# Altium PCB druino_uno_pcb.PcbDoc (part 1 of 3) (continued)
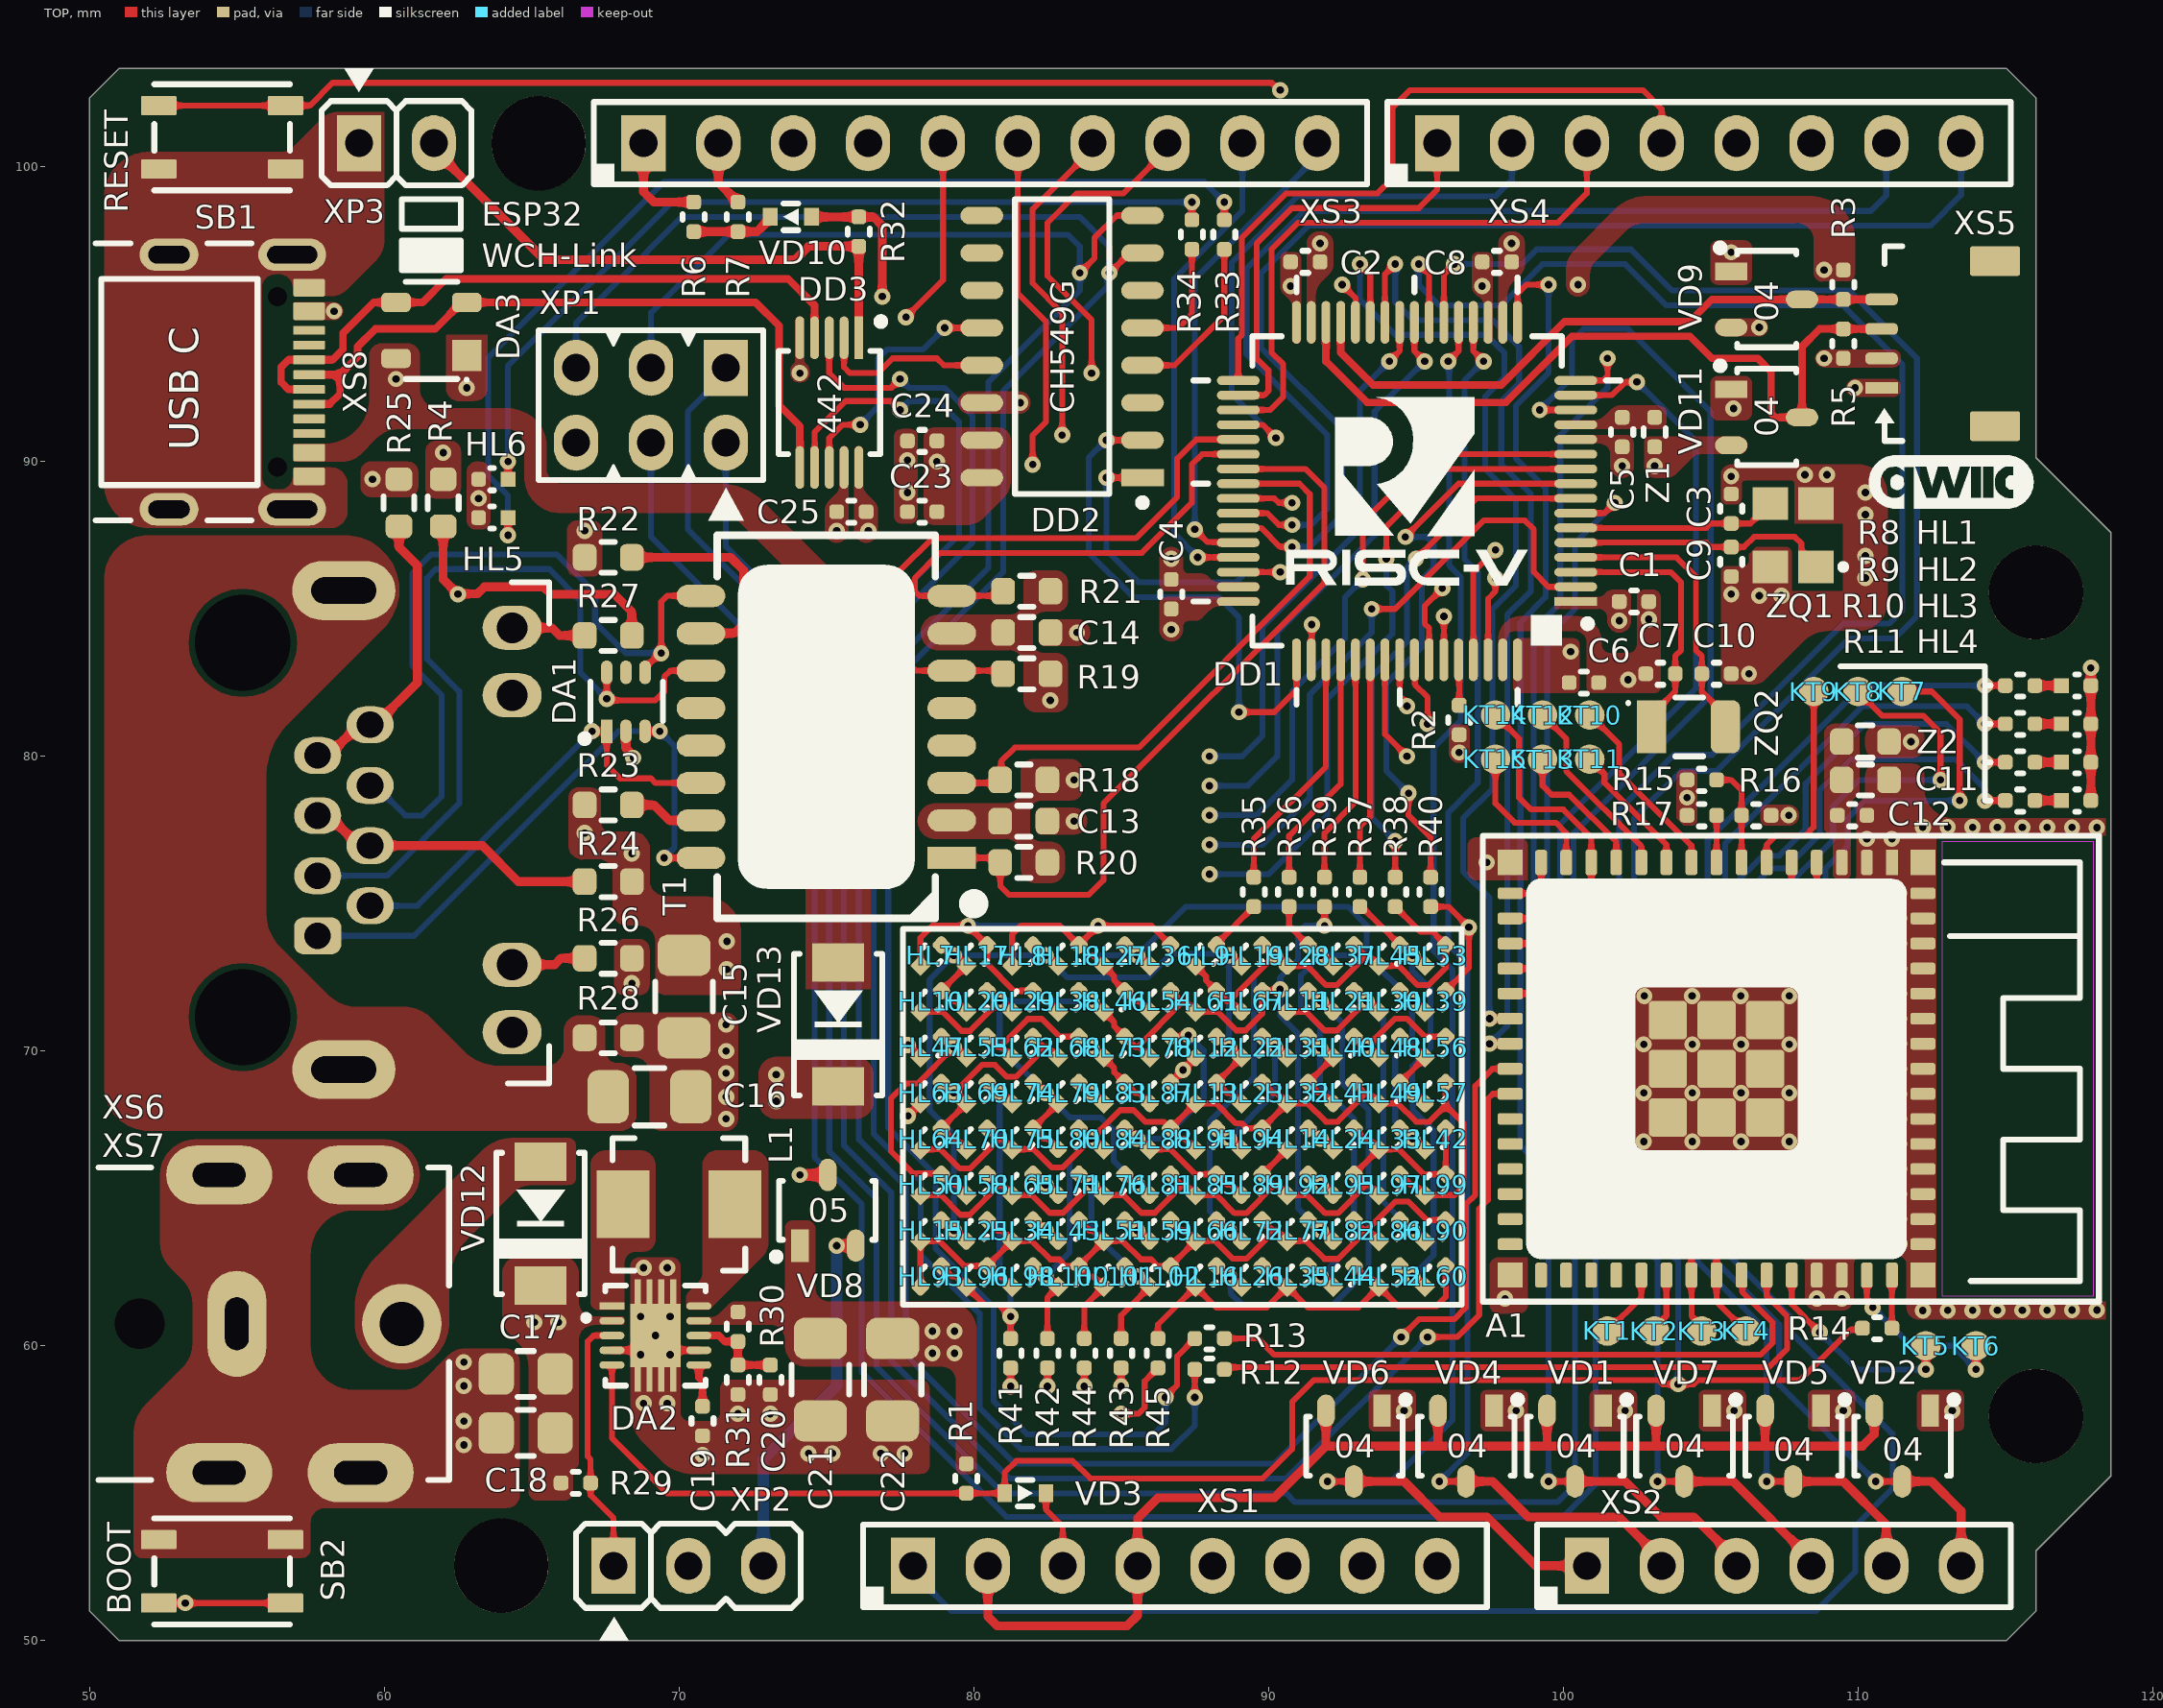
[diagram p0: TOP view]
## Classes and differential pairs
component class p8_led_matrix: .8 HL7 HL8 HL9 HL10 HL11 HL12 HL13 HL14 HL15 HL16 HL17 HL18 HL19 HL20 HL21 HL22 HL23 HL24 HL25 HL26 HL27 HL28 HL29 HL30 HL31 HL32 HL33 HL34 HL35 HL36 HL37 HL38 HL39 HL40 HL41 HL42 HL43 HL44 HL45 HL46 HL47 HL48 HL49 HL50 HL51 HL52 HL53 HL54 HL55 HL56 HL57 HL58 HL59 HL60 HL61 HL62 HL63 HL64 HL65 HL66 HL67 HL68 HL69 HL70 HL71 HL72 HL73 HL74 HL75 HL76 HL77 HL78 HL79 HL80 HL81 HL82 HL83 HL84 HL85 HL86 HL87 HL88 HL89 HL90 HL91 HL92 HL93 HL94 HL95 HL96 HL97 HL98 HL99 HL100 HL101 HL102 R35 R36 R37 R38 R39 R40 R41 R42 R43 R44 R45
component class p6_wch_link: C23 C24 C25 DA3 DD2 DD3 HL5 HL6 R32 R33 R34 VD13 XP3 XS8
component class p5_ethernet: C13 C14 C15 C16 DA1 R18 R19 R20 R21 R22 R23 R24 R25 R26 R27 R28 T1 XS6
component class p7_power: .8 C17 C18 C19 C20 C21 C22 DA2 L1 R29 R30 R31 VD12 XP2 XS7
component class p4_esp32: A1 C11 C12 HL1 HL2 HL3 HL4 KT1 KT2 KT3 KT4 KT5 KT6 KT7 KT8 KT9 KT10 KT11 KT12 KT13 KT14 KT15 R8 R9 R10 R11 R12 R13 R14 R15 R16 R17 SB2 XP1 Z2
component class p3_mcu: C1 C2 C3 C4 C5 C6 C7 C8 C9 C10 DD1 R1 R2 R3 R4 R5 R6 R7 SB1 VD1 VD2 VD3 VD4 VD5 VD6 VD7 VD8 VD9 VD10 VD11 XS1 XS2 XS3 XS4 XS5 Z1 ZQ1 ZQ2

## Components (designator, comment, footprint, x,y, rotation, side; value= is the part's Value field where it differs from the comment)
A1 "ESP32-S3-MINI-1-N8" ESP32-S3-MINI-1 107.725,69.4 r270 top locked
C1 "0.1u" CAP0402 102.4,85.25 r0 top
C2 "0.1u" CAP0402 91.25,96.775 r0 top
C3 "12p" CAP0402 105.7,88.4 r90 top
C4 "0.1u" CAP0402 86.7,85.5 r90 top
C5 "0.1u" CAP0402 102,91 r270 top
C6 "0.1u" CAP0402 100.7,82.5 r0 top
C7 "12p" CAP0402 103.3,82.8 r0 top
C8 "0.1u" CAP0402 97.75,96.775 r0 top
C9 "12p" CAP0402 105.7,86.6 r270 top
C10 "12p" CAP0402 105.2,82.8 r180 top
C11 "1u" CAP0603 110.25,79.2 r180 top
C12 "0.1u" CAP0402 109.8,78 r0 top
C13 "0.047u" CAP0603 81.7,77.8 r180 top
C14 "0.047u" CAP0603 81.8,84.2 r180 top
C15 "2200p" CAP1206-1.0 70.15,71.85 r270 top
C16 "4700p" CAP1206-1.4 69,68.475 r180 top
C17 "10u" CAP0805-0.75 64.8,59.05 r0 top
C18 "10u" CAP0805-0.75 64.8,57.05 r0 top
C19 "0.1u" CAP0402 70.8,57.45 r270 top
C20 "12p" CAP0402 73.1,58.85 r270 top
C21 "22u" CAP1206-1.8 74.825,58.85 r90 top
C22 "22u" CAP1206-1.8 77.275,58.85 r90 top
C23 "0.1u" CAP0402 78.25,88.3 r180 top
C24 "0.1u" CAP0402 78.25,90.7 r180 top
C25 "0.1u" CAP0402 75.85,88.3 r180 top
DA1 "TPD4E1U06DCKR" SC70-6 68.2,81.85 r90 top
DA2 "TPS63060DSC" PWSON-10 69.2,60.35 r270 top
DA3 "PRTR5V0U2X" SOT143 61.6,94.45 r180 top
DD1 "CH32V307RCT6" LQFP64M 94.7,89 r90 top locked
DD2 "CH549G" SOIC-16 83,93.9 r180 top locked
DD3 "CH442E" MSOP-10 75.1,92 r270 top
HL1 "KPHHS-1005ZGC-V" LED0402G525 117.4,82.4 r0 top
HL2 "KPHHS-1005ZGC-V" LED0402G525 117.4,81.1 r0 top
HL3 "KPHHS-1005ZGC-V" LED0402G525 117.4,79.8 r0 top
HL4 "KPHHS-1005ZGC-V" LED0402G525 117.4,78.5 r0 top
HL5 "KPHHS-1005SURCK" LED0402R 63.7,88.1 r180 top
HL6 "KPHHS-1005QBC-D-V" LED0402B#1 63.7,89.4 r180 top
HL7 "KPHHS-1005QBC-D-V" LED0402B#1 78.546,73.246 r45 top
HL8 "KPHHS-1005QBC-D-V" LED0402B#1 81.658,73.246 r45 top
HL9 "KPHHS-1005QBC-D-V" LED0402B#1 87.88,73.246 r45 top
HL10 "KPHHS-1005QBC-D-V" LED0402B#1 78.546,71.691 r45 top
HL11 "KPHHS-1005QBC-D-V" LED0402B#2 90.991,71.691 r45 top
HL12 "KPHHS-1005QBC-D-V" LED0402B#2 87.88,70.135 r45 top
HL13 "KPHHS-1005QBC-D-V" LED0402B#1 87.88,68.579 r45 top
HL14 "KPHHS-1005QBC-D-V" LED0402B#1 90.991,67.024 r45 top
HL15 "KPHHS-1005QBC-D-V" LED0402B#1 78.546,63.913 r45 top
HL16 "KPHHS-1005QBC-D-V" LED0402B#1 87.88,62.357 r45 top
HL17 "KPHHS-1005QBC-D-V" LED0402B#1 80.102,73.246 r45 top
HL18 "KPHHS-1005QBC-D-V" LED0402B#1 83.213,73.246 r45 top
HL19 "KPHHS-1005QBC-D-V" LED0402B#1 89.436,73.246 r45 top
HL20 "KPHHS-1005QBC-D-V" LED0402B#1 80.102,71.691 r45 top
HL21 "KPHHS-1005QBC-D-V" LED0402B#2 92.547,71.691 r45 top
HL22 "KPHHS-1005QBC-D-V" LED0402B#1 89.436,70.135 r45 top
HL23 "KPHHS-1005QBC-D-V" LED0402B#1 89.436,68.579 r45 top
HL24 "KPHHS-1005QBC-D-V" LED0402B#1 92.547,67.024 r45 top
HL25 "KPHHS-1005QBC-D-V" LED0402B#2 80.102,63.913 r45 top
HL26 "KPHHS-1005QBC-D-V" LED0402B#1 89.436,62.357 r45 top
HL27 "KPHHS-1005QBC-D-V" LED0402B#1 84.769,73.246 r45 top
HL28 "KPHHS-1005QBC-D-V" LED0402B#2 90.991,73.246 r45 top
HL29 "KPHHS-1005QBC-D-V" LED0402B#1 81.658,71.691 r45 top
HL30 "KPHHS-1005QBC-D-V" LED0402B#1 94.103,71.691 r45 top
HL31 "KPHHS-1005QBC-D-V" LED0402B#1 90.991,70.135 r45 top
HL32 "KPHHS-1005QBC-D-V" LED0402B#1 90.991,68.579 r45 top
HL33 "KPHHS-1005QBC-D-V" LED0402B#1 94.103,67.024 r45 top
HL34 "KPHHS-1005QBC-D-V" LED0402B#1 81.658,63.913 r45 top
HL35 "KPHHS-1005QBC-D-V" LED0402B#1 90.991,62.357 r45 top
HL36 "KPHHS-1005QBC-D-V" LED0402B#1 86.325,73.246 r45 top
HL37 "KPHHS-1005QBC-D-V" LED0402B#1 92.547,73.246 r45 top
HL38 "KPHHS-1005QBC-D-V" LED0402B#1 83.213,71.691 r45 top
HL39 "KPHHS-1005QBC-D-V" LED0402B#1 95.658,71.691 r45 top
HL40 "KPHHS-1005QBC-D-V" LED0402B#1 92.547,70.135 r45 top
HL41 "KPHHS-1005QBC-D-V" LED0402B#2 92.547,68.579 r45 top
HL42 "KPHHS-1005QBC-D-V" LED0402B#1 95.658,67.024 r45 top
HL43 "KPHHS-1005QBC-D-V" LED0402B#2 83.213,63.913 r45 top
HL44 "KPHHS-1005QBC-D-V" LED0402B#1 92.547,62.357 r45 top
HL45 "KPHHS-1005QBC-D-V" LED0402B#1 94.103,73.246 r45 top
HL46 "KPHHS-1005QBC-D-V" LED0402B#1 84.769,71.691 r45 top
HL47 "KPHHS-1005QBC-D-V" LED0402B#1 78.546,70.135 r45 top
HL48 "KPHHS-1005QBC-D-V" LED0402B#1 94.103,70.135 r45 top
HL49 "KPHHS-1005QBC-D-V" LED0402B#1 94.103,68.579 r45 top
HL50 "KPHHS-1005QBC-D-V" LED0402B#1 78.546,65.468 r45 top
HL51 "KPHHS-1005QBC-D-V" LED0402B#1 84.769,63.913 r45 top
HL52 "KPHHS-1005QBC-D-V" LED0402B#1 94.103,62.357 r45 top
HL53 "KPHHS-1005QBC-D-V" LED0402B#1 95.658,73.246 r45 top
HL54 "KPHHS-1005QBC-D-V" LED0402B#1 86.325,71.691 r45 top
HL55 "KPHHS-1005QBC-D-V" LED0402B#1 80.102,70.135 r45 top
HL56 "KPHHS-1005QBC-D-V" LED0402B#1 95.658,70.135 r45 top
HL57 "KPHHS-1005QBC-D-V" LED0402B#2 95.658,68.579 r45 top
HL58 "KPHHS-1005QBC-D-V" LED0402B#1 80.102,65.468 r45 top
HL59 "KPHHS-1005QBC-D-V" LED0402B#2 86.325,63.913 r45 top
HL60 "KPHHS-1005QBC-D-V" LED0402B#1 95.658,62.357 r45 top
HL61 "KPHHS-1005QBC-D-V" LED0402B#1 87.88,71.691 r45 top
HL62 "KPHHS-1005QBC-D-V" LED0402B#1 81.658,70.135 r45 top
HL63 "KPHHS-1005QBC-D-V" LED0402B#1 78.546,68.58 r45 top
HL64 "KPHHS-1005QBC-D-V" LED0402B#1 78.546,67.024 r45 top
HL65 "KPHHS-1005QBC-D-V" LED0402B#1 81.658,65.468 r45 top
HL66 "KPHHS-1005QBC-D-V" LED0402B#1 87.88,63.913 r45 top
HL67 "KPHHS-1005QBC-D-V" LED0402B#2 89.436,71.691 r45 top
HL68 "KPHHS-1005QBC-D-V" LED0402B#1 83.213,70.135 r45 top
HL69 "KPHHS-1005QBC-D-V" LED0402B#1 80.102,68.58 r45 top
HL70 "KPHHS-1005QBC-D-V" LED0402B#1 80.102,67.024 r45 top
HL71 "KPHHS-1005QBC-D-V" LED0402B#2 83.213,65.468 r45 top
HL72 "KPHHS-1005QBC-D-V" LED0402B#2 89.436,63.913 r45 top
HL73 "KPHHS-1005QBC-D-V" LED0402B#1 84.769,70.135 r45 top
HL74 "KPHHS-1005QBC-D-V" LED0402B#1 81.658,68.58 r45 top
HL75 "KPHHS-1005QBC-D-V" LED0402B#1 81.658,67.024 r45 top
HL76 "KPHHS-1005QBC-D-V" LED0402B#1 84.769,65.468 r45 top
HL77 "KPHHS-1005QBC-D-V" LED0402B#1 90.991,63.913 r45 top
HL78 "KPHHS-1005QBC-D-V" LED0402B#1 86.325,70.135 r45 top
HL79 "KPHHS-1005QBC-D-V" LED0402B#1 83.213,68.58 r45 top
HL80 "KPHHS-1005QBC-D-V" LED0402B#2 83.213,67.024 r45 top
HL81 "KPHHS-1005QBC-D-V" LED0402B#2 86.325,65.468 r45 top
HL82 "KPHHS-1005QBC-D-V" LED0402B#2 92.547,63.913 r45 top
HL83 "KPHHS-1005QBC-D-V" LED0402B#1 84.769,68.58 r45 top
HL84 "KPHHS-1005QBC-D-V" LED0402B#1 84.769,67.024 r45 top
HL85 "KPHHS-1005QBC-D-V" LED0402B#1 87.88,65.468 r45 top
HL86 "KPHHS-1005QBC-D-V" LED0402B#1 94.103,63.913 r45 top
HL87 "KPHHS-1005QBC-D-V" LED0402B#2 86.325,68.58 r45 top
HL88 "KPHHS-1005QBC-D-V" LED0402B#1 86.325,67.024 r45 top
HL89 "KPHHS-1005QBC-D-V" LED0402B#2 89.436,65.468 r45 top
HL90 "KPHHS-1005QBC-D-V" LED0402B#1 95.658,63.912 r45 top
HL91 "KPHHS-1005QBC-D-V" LED0402B#1 87.88,67.024 r45 top
HL92 "KPHHS-1005QBC-D-V" LED0402B#1 90.991,65.468 r45 top
HL93 "KPHHS-1005QBC-D-V" LED0402B#2 78.546,62.357 r45 top
HL94 "KPHHS-1005QBC-D-V" LED0402B#1 89.436,67.024 r45 top
HL95 "KPHHS-1005QBC-D-V" LED0402B#2 92.547,65.468 r45 top
HL96 "KPHHS-1005QBC-D-V" LED0402B#1 80.102,62.357 r45 top
HL97 "KPHHS-1005QBC-D-V" LED0402B#1 94.103,65.468 r45 top
HL98 "KPHHS-1005QBC-D-V" LED0402B#1 81.658,62.357 r45 top
HL99 "KPHHS-1005QBC-D-V" LED0402B#1 95.658,65.468 r45 top
HL100 "KPHHS-1005QBC-D-V" LED0402B#1 83.213,62.357 r45 top
HL101 "KPHHS-1005QBC-D-V" LED0402B#1 84.769,62.357 r45 top
HL102 "KPHHS-1005QBC-D-V" LED0402B#1 86.325,62.357 r45 top
KT1 "TEST_PAD" TEST_PAD_R1mm 101.5,60.5 r0 top net-tie
KT2 "TEST_PAD" TEST_PAD_R1mm 103.1,60.5 r90 top net-tie
KT3 "TEST_PAD" TEST_PAD_R1mm 104.7,60.5 r90 top net-tie
KT4 "TEST_PAD" TEST_PAD_R1mm 106.2,60.5 r90 top net-tie
KT5 "TEST_PAD" TEST_PAD_R1mm 112.3,60 r90 top net-tie
KT6 "TEST_PAD" TEST_PAD_R1mm 114,60 r90 top net-tie
KT7 "TEST_PAD" TEST_PAD_R1mm 111.5,82.2 r90 top net-tie
KT8 "TEST_PAD" TEST_PAD_R1mm 110,82.2 r90 top net-tie
KT9 "TEST_PAD" TEST_PAD_R1mm 108.5,82.2 r90 top net-tie
KT10 "TEST_PAD" TEST_PAD_R1mm 100.9,81.4 r90 top net-tie
KT11 "TEST_PAD" TEST_PAD_R1mm 100.9,79.9 r90 top net-tie
KT12 "TEST_PAD" TEST_PAD_R1mm 99.3,81.4 r90 top net-tie
KT13 "TEST_PAD" TEST_PAD_R1mm 99.3,79.9 r90 top net-tie
KT14 "TEST_PAD" TEST_PAD_R1mm 97.7,81.4 r90 top net-tie
KT15 "TEST_PAD" TEST_PAD_R1mm 97.7,79.9 r90 top net-tie
L1 "IHLP2020BZERR22M01" IHLP1616 70,64.8 r0 top
R1 "10k" RES0402B 79.75,55.5 r270 top
R2 "0" RES0402B 96.469,81.231 r270 top
R3 "4.7k" RES0402B 109.5,96 r270 top
R4 "4.7k" RES0603B 62,88.6 r90 top
R5 "4.7k" RES0402B 109.5,94 r90 top
R6 "4.7k" RES0402B 70.5,98.3 r90 top
R7 "4.7k" RES0402B 72,98.3 r90 top
R8 "560" RES0402B 115.5,82.4 r180 top
R9 "560" RES0402B 115.5,81.1 r180 top
R10 "560" RES0402B 115.5,79.8 r180 top
R11 "560" RES0402B 115.5,78.5 r180 top
R12 "0" RES0402B 88,59.2 r0 top
R13 "0" RES0402B 88,60.25 r0 top
R14 "0" RES0402B 110.65,60.6 r180 top
R15 "100k" RES0402B 104.7,79.2 r0 top
R16 "100k" RES0402B 106.55,78 r0 top
R17 "100k" RES0402B 104.7,78 r0 top
R18 "51" RES0603B 81.7,79.2 r0 top
R19 "51" RES0603B 81.8,82.8 r180 top
R20 "51" RES0603B 81.7,76.4 r0 top
R21 "51" RES0603B 81.8,85.6 r180 top
R22 "75" RES0603B 67.6,86.75 r0 top
R23 "75" RES0603B 67.6,78.35 r0 top
R24 "75" RES0603B 67.6,75.75 r180 top
R25 "75" RES0603B 60.5,88.6 r270 top
R26 "750" RES0603B 67.6,73.15 r0 top
R27 "560" RES0603B 67.6,84.1 r0 top
R28 "1M" RES0603B 67.6,70.45 r180 top
R29 "10k" RES0402B 66.5,55.35 r0 top
R30 "100k" RES0402B 72,60.65 r270 top
R31 "18k" RES0402B 72,58.85 r270 top
R32 "10k" RES0402B 76.1,97.8 r270 top
R33 "750" RES0402B 88.5,97.7 r270 top
R34 "560" RES0402B 87.4,97.7 r270 top
R35 "330" RES0402B 89.5,75.4 r90 top
R36 "330" RES0402B 90.7,75.4 r90 top
R37 "330" RES0402B 93.1,75.4 r90 top
R38 "330" RES0402B 94.3,75.4 r90 top
R39 "330" RES0402B 91.9,75.4 r90 top
R40 "330" RES0402B 95.5,75.4 r90 top
R41 "330" RES0402B 81.25,59.75 r270 top
R42 "330" RES0402B 82.5,59.75 r270 top
R43 "330" RES0402B 85,59.75 r270 top
R44 "330" RES0402B 83.75,59.75 r270 top
R45 "330" RES0402B 86.25,59.75 r270 top
SB1 "KLS7-TS3401- 2.5-180" TVAF11 54.5,101 r180 top locked
SB2 "KLS7-TS3401- 2.5-180" TVAF11 54.5,52.35 r180 top locked
T1 "H1102NL" H1102NL 75,81 r90 top
VD1 "BAS70-04" SOT23-3 100.4,56.6 r270 top
VD2 "BAS70-04" SOT23-3 111.5,56.6 r270 top
VD3 "BAS516,115" SOD-523 81.75,55 r180 top
VD4 "BAS70-04" SOT23-3 96.7,56.6 r270 top
VD5 "BAS70-04" SOT23-3 107.8,56.6 r270 top
VD6 "BAS70-04" SOT23-3 92.9,56.6 r270 top
VD7 "BAS70-04" SOT23-3 104.1,56.6 r270 top
VD8 "BAS70-05" SOT23-3 75.05,64.6 r90 top
VD9 "BAS70-04" SOT23-3 106.9,95.5 r0 top
VD10 "BAS516,115" SOD-523 73.8,98.3 r0 top
VD11 "BAS70-04" SOT23-3 106.9,91.5 r0 top
VD12 "SS34F" SMA-FL 65.3,64.15 r90 top
VD13 "SS34F" SMA-FL 75.4,70.9 r90 top
XP1 "PLD-6" PLD-6 69.05,91.91 r90 top
XP2 "PLS3" PLS-3 67.78,52.54 r270 top locked
XP3 "PLS2" PLS-2 59.144,100.8 r270 top locked
XS1 "DS1023-1x8S21" PBS-8(BLUE) 86.87,52.54 r90 top locked
XS2 "DS1023-1x6S21" PBS-6(blue) 107.19,52.54 r90 top locked
XS3 "DS1023-1x10S21" PBS-10(BLUE) 80.266,100.8 r90 top locked
XS4 "DS1023-1x8S21" PBS-8(BLUE) 104.65,100.8 r90 top locked
XS5 "SM04B-SRSS-TB(LF)(SN)" SM04B-SRSS-TB 113,94 r90 top locked
XS6 "KLS12-108-8P8C-1X1-2-R/G-0-01" L-KLS12-108-8P8C_SLOTS 55.2,77.5 r270 top
XS7 "DC-042C-Z-2.0" DC-042C-Z-2.0 55.365,60.75 r90 top locked
XS8 "GT-USB-7010ASV" GT-USB-7010ASV 54,92.7 r270 top locked
Z1 "BLM15PX601SN1D" BLM0402L 103.1,91 r270 top
Z2 "BLM18HE152SN1D" BLM0603C 110.25,80.5 r0 top
ZQ1 "X32258MOB4SI" SMD3225 107.8,87.5 r90 top
ZQ2 "X321532768KGD2SI" YST310S 104.25,81 r0 top

## Footprints (in the part's own frame and the unit in brackets; to place one, negate y for a bottom-side part, rotate by r counter-clockwise, add the part's x,y. Pads: shape width x height; smd on the part's side, far side on the other; paste and mask are expansions set on the pad)
BLM0402L [mm]
  rrect50% 0.5x0.5 smd mask+0.075: 1(-0.5,0) 2(0.5,0)
  silkscreen extent -0.13,-0.38 0.13,0.38, body extent -0.5,-0.25 0.5,0.25, height 0.52
BLM0603C [mm] "Filter 0603"
  rrect50% 0.8x0.9 smd mask+0.05: 1(-0.8,0) 2(0.8,0)
  silkscreen extent -0.25,-0.55 0.25,0.55, body extent -0.8,-0.4 0.8,0.4, height 0.8
CAP0402 [mm]
  rrect50% 0.5x0.5 smd mask+0.08: 1(-0.5,0) 2(0.5,0)
  silkscreen extent -0.1,-0.38 0.1,0.38, body extent -0.5,-0.26 0.5,0.26, height 0.52
CAP0603 [mm] "Capacitor 0603"
  rrect50% 0.8x0.9 smd: 1(-0.8,0) 2(0.8,0)
  silkscreen extent -0.23,-0.53 0.23,0.53, body extent -0.8,-0.41 0.8,0.41, height 0.82
CAP0805-0.75 [mm] "Capacitor 0805"
  rrect50% 1.2x1.4 smd: 1(-1,-0.005) 2(1,-0.005)
  silkscreen extent -0.28,-0.78 0.28,0.77, body extent -1,-0.64 1,0.64, height 1.27
CAP1206-1.0 [mm] "Capacitor 1206"
  rrect50% 1.4x1.8 smd: 1(-1.4,0.025) 2(1.4,0.025)
  silkscreen extent -0.5,-0.95 0.5,1, body extent -1.6,-0.8 1.6,0.8, height 0.8
CAP1206-1.4 [mm] "Capacitor 1206"
  rrect50% 1.4x1.8 smd: 1(-1.4,0.025) 2(1.4,0.025)
  silkscreen extent -0.5,-0.95 0.5,1, body extent -1.6,-0.8 1.6,0.8, height 1.4
CAP1206-1.8 [mm] "Capacitor 1206"
  rrect50% 1.4x1.8 smd: 1(-1.4,0.025) 2(1.4,0.025)
  silkscreen extent -0.5,-0.95 0.5,1, body extent -1.6,-0.8 1.6,0.8, height 1.8
DC-042C-Z-2.0 [mm]
  oval 2x3.6 hole 0.8 slot 1.8 at 90 deg: 2(-5.05,-3.835) 2(-5.05,0.965) 2(5.05,-3.835) 2(5.05,0.965)
  oval 3.6x2 hole 0.8 slot 1.8 at 0 deg: 3(0,0.365)
  round 2.7 hole 1.5: 4(0,-5.235)
  round 0 hole 1.7 unplated: A.M2(0,3.665)
  silkscreen extent -5.3,-6.84 5.3,5.06, body extent -5,-6.56 5,6.57, height 10.05
ESP32-S3-MINI-1 [mm] "ESP32 SMT Module"
  rect 0.85x0.4 smd mask+0.05: 1(-7,3.425)
  rrect40% 0.85x0.4 smd mask+0.05: 2(-7,2.575) 3(-7,1.725) 4(-7,0.875) 5(-7,0.025) 6(-7,-0.825) 7(-7,-1.675) 8(-7,-2.525) 9(-7,-3.375) 10(-7,-4.225) 11(-7,-5.075) 12(-7,-5.925) 13(-7,-6.775) 14(-7,-7.625) 15(-7,-8.475) 31(7,-8.475) 32(7,-7.625) 33(7,-6.775) 34(7,-5.925) 35(7,-5.075) 36(7,-4.225) 37(7,-3.375) 38(7,-2.525) 39(7,-1.675) 40(7,-0.825) 41(7,0.025) 42(7,0.875) 43(7,1.725) 44(7,2.575) 45(7,3.425)
  rrect40% 0.4x0.85 smd mask+0.05: 16(-5.95,-9.525) 17(-5.1,-9.525) 18(-4.25,-9.525) 19(-3.4,-9.525) 20(-2.55,-9.525) 21(-1.7,-9.525) 22(-0.85,-9.525) 23(0,-9.525) 24(0.85,-9.525) 25(1.7,-9.525) 26(2.55,-9.525) 27(3.4,-9.525) 28(4.25,-9.525) 29(5.1,-9.525) 30(5.95,-9.525) 46(5.95,4.475) 47(5.1,4.475) 48(4.25,4.475) 49(3.4,4.475) 50(2.55,4.475) 51(1.7,4.475) 52(0.85,4.475) 53(0,4.475) 54(-0.85,4.475) 55(-1.7,4.475) 56(-2.55,4.475) 57(-3.4,4.475) 58(-4.25,4.475) 59(-5.1,4.475) 60(-5.95,4.475)
  rect 0.85x0.85 smd mask+0.05: EP(-7,-9.525) EP(-7,4.475) EP(7,4.475) EP(7,-9.525)
  rrect20% 1.3x1.3 smd mask+0.05: EP(-1.65,-0.875) EP(-1.65,-2.525) EP(-1.65,-4.175) EP(0,-0.875) EP(0,-2.525) EP(0,-4.175) EP(1.65,-2.525) EP(1.65,-0.875) EP(1.65,-4.175)
  silkscreen extent -7.9,-10.45 7.9,10.45, body extent -7.7,-10.25 7.7,10.25, height 2.4
GT-USB-7010ASV [mm] "USB 2.0 TYPE C"
  rect 0x0 hole 0.65 unplated paste+0 mask+0.05: 0(-2.89,2.38) 0(2.89,2.38)
  rrect20% 0.6x1.08 smd paste+0 mask+0.03: A1(-3.2,3.45) A4(-2.4,3.45) B1(3.2,3.45) B4(2.4,3.45)
  rrect20% 0.3x1.08 smd paste+0 mask+0.03: A5(-1.25,3.45) A6(-0.25,3.45) A7(0.25,3.45) A8(1.25,3.45) B5(1.75,3.45) B6(0.75,3.45) B7(-0.75,3.45) B8(-1.75,3.45)
  oval 1.1x2 hole 0.6 slot 1.4 at 90 deg paste+0 mask+0.05: M1(4.32,-1.3) M3(-4.32,-1.3)
  oval 1.1x2.3 hole 0.6 slot 1.7 at 90 deg paste+0 mask+0.05: M2(4.32,2.88) M4(-4.32,2.88)
  silkscreen extent -4.7,-3.8 4.7,1.7, body extent -4.47,-3.9 4.47,3.85, height 3.3
H1102NL [mm]
  rect 0.76x1.65 smd: 1(-4.445,-4.255)
  oval 0.76x1.65 smd: 2(-3.175,-4.255) 3(-1.905,-4.255) 4(-0.635,-4.255) 5(0.635,-4.255) 6(1.905,-4.255) 7(3.175,-4.255) 8(4.445,-4.255) 9(4.445,4.255) 10(3.175,4.255) 11(1.905,4.255) 12(0.635,4.255) 13(-0.635,4.255) 14(-1.905,4.255) 15(-3.175,4.255) 16(-4.445,4.255)
  silkscreen extent -6.5,-5.25 6.5,3.7, body extent -6.35,-4.76 6.35,4.76, height 5.96
IHLP1616 [mm]
  rect 1.8x2.3 smd paste-5: 1(-1.9,0) 2(1.9,0)
  silkscreen extent -2.25,-2.25 2.25,2.25, body extent -2.18,-2.03 2.18,2.03, height 2.07
L-KLS12-108-8P8C_SLOTS [mm] "Ethernet RJ-45 Socket"
  rrect50% 1.25x1.6 hole 0.9: 1(3.59,2.54)
  oval 1.25x1.6 hole 0.9: 2(2.57,4.32) 3(1.55,2.54) 4(0.53,4.32) 5(-0.49,2.54) 6(-1.51,4.32) 7(-2.53,2.54) 8(-3.57,4.32)
  oval 1.5x2 hole 1.05: 9(6.86,9.14) 10(4.57,9.14) 11(-4.57,9.14) 12(-6.86,9.14)
  oval 2x3.5 hole 0.9 slot 2.2 at 90 deg: M1(-8.125,3.43) M2(8.125,3.43)
  round 0 hole 3.25 unplated: M3(6.35,0) M4(-6.35,0)
  silkscreen extent -8.4,9 8.6,10.4, body extent -9.88,-5.89 9.88,10.56, height 15.23
LED0402B#1 [mm] "LED 0402 Blue"
  rect 0.5x0.5 smd mask+0.05: 1(-0.5,0)
  rrect50% 0.5x0.5 smd mask+0.05: 2(0.5,0)
  silkscreen extent -0.03,-0.38 0.1,0.38, body extent -0.5,-0.25 0.5,0.25, height 0.5
LED0402B#2 [mm] "LED 0402 Blue"
  rrect50% 0.5x0.5 smd mask+0.05: 1(-0.5,0) 2(0.5,0)
  silkscreen extent -0.03,-0.38 0.1,0.38, body extent -0.5,-0.25 0.5,0.25, height 0.5
LED0402G525 [mm] "LED 0402 Green 525nm"
  rect 0.5x0.5 smd mask+0.05: 1(-0.5,0)
  rrect50% 0.5x0.5 smd mask+0.05: 2(0.5,0)
  silkscreen extent -0.03,-0.38 0.1,0.38, body extent -0.5,-0.25 0.5,0.25, height 0.5
LED0402R [mm] "LED 0402 Red"
  rect 0.5x0.5 smd mask+0.05: 1(-0.5,0)
  rrect50% 0.5x0.5 smd mask+0.05: 2(0.5,0)
  silkscreen extent -0.03,-0.38 0.1,0.38, body extent -0.5,-0.25 0.5,0.25, height 0.5
LQFP64M [mm] "WCH LQFP64M package with 0.5mm pitch"
  rect 0.3x1.45 smd paste+0 mask+0.03: 1(-3.75,-5.725)
  oval 0.3x1.45 smd paste+0 mask+0.03: 2(-3.25,-5.725) 3(-2.75,-5.725) 4(-2.25,-5.725) 5(-1.75,-5.725) 6(-1.25,-5.725) 7(-0.75,-5.725) 8(-0.25,-5.725) 9(0.25,-5.725) 10(0.75,-5.725) 11(1.25,-5.725) 12(1.75,-5.725) 13(2.25,-5.725) 14(2.75,-5.725) 15(3.25,-5.725) 16(3.75,-5.725) 33(3.75,5.725) 34(3.25,5.725) 35(2.75,5.725) 36(2.25,5.725) 37(1.75,5.725) 38(1.25,5.725) 39(0.75,5.725) 40(0.25,5.725) 41(-0.25,5.725) 42(-0.75,5.725) 43(-1.25,5.725) 44(-1.75,5.725) 45(-2.25,5.725) 46(-2.75,5.725) 47(-3.25,5.725) 48(-3.75,5.725)
  oval 1.45x0.3 smd paste+0 mask+0.03: 17(5.725,-3.75) 18(5.725,-3.25) 19(5.725,-2.75) 20(5.725,-2.25) 21(5.725,-1.75) 22(5.725,-1.25) 23(5.725,-0.75) 24(5.725,-0.25) 25(5.725,0.25) 26(5.725,0.75) 27(5.725,1.25) 28(5.725,1.75) 29(5.725,2.25) 30(5.725,2.75) 31(5.725,3.25) 32(5.725,3.75) 49(-5.725,3.75) 50(-5.725,3.25) 51(-5.725,2.75) 52(-5.725,2.25) 53(-5.725,1.75) 54(-5.725,1.25) 55(-5.725,0.75) 56(-5.725,0.25) 57(-5.725,-0.25) 58(-5.725,-0.75) 59(-5.725,-1.25) 60(-5.725,-1.75) 61(-5.725,-2.25) 62(-5.725,-2.75) 63(-5.725,-3.25) 64(-5.725,-3.75)
  silkscreen extent -7.25,-7.25 7.25,7.25, body extent -6,-6 6,6, height 1.6
MSOP-10 [mm] "TSOP, 8-Leads, Body 3.00x3.00mm, Pitch 0.65mm, IPC Medium Density"
  rect 1.45x0.3 smd paste+0 mask+0.03: 1(-2.2,1)
  oval 1.45x0.3 smd paste+0 mask+0.03: 2(-2.2,0.5) 3(-2.2,0) 4(-2.2,-0.5) 5(-2.2,-1) 6(2.2,-1) 7(2.2,-0.5) 8(2.2,0) 9(2.2,0.5) 10(2.2,1)
  silkscreen extent -2.87,-1.73 1.75,1.88, body extent -2.45,-1.5 2.45,1.5, height 1.15
PBS-6(blue) [mm] "H = 8.5mm"
  rect 1.9x1.5 hole 0.95: 1(0,6.39)
  oval 1.9x1.5 hole 0.95: 2(0,3.85) 3(0,1.31) 4(0,-1.23) 5(0,-3.77) 6(0,-6.31)
  silkscreen extent -1.4,-8 1.4,8.08, body extent -1.25,-7.83 1.25,7.91, height 8.5
PBS-8(BLUE) [mm] "H = 8.5mm"
  rect 1.9x1.5 hole 0.95: 1(0,8.93)
  oval 1.9x1.5 hole 0.95: 2(0,6.39) 3(0,3.85) 4(0,1.31) 5(0,-1.23) 6(0,-3.77) 7(0,-6.31) 8(0,-8.85)
  silkscreen extent -1.4,-10.54 1.4,10.62, body extent -1.25,-10.37 1.25,10.45, height 8.5
PBS-10(BLUE) [mm] "H = 8.5mm"
  rect 1.9x1.5 hole 0.95: 1(0,11.47)
  oval 1.9x1.5 hole 0.95: 2(0,8.93) 3(0,6.39) 4(0,3.85) 5(0,1.31) 6(0,-1.23) 7(0,-3.77) 8(0,-6.31) 9(0,-8.85) 10(0,-11.39)
  silkscreen extent -1.4,-13.08 1.4,13.16, body extent -1.25,-12.91 1.25,12.99, height 8.5
PLD-6 [mm]
  rect 1.9x1.5 hole 0.95: 1(1.27,-2.54)
  oval 1.9x1.5 hole 0.95: 2(-1.27,-2.54) 3(1.27,0) 4(-1.27,0) 5(1.27,2.54) 6(-1.27,2.54)
  silkscreen extent -2.54,-3.81 2.54,3.81, body extent -2.5,-3.81 2.5,3.81, height 8.4
PLS-2 [mm]
  rect 1.9x1.5 hole 0.95: 1(0,0)
  oval 1.9x1.5 hole 0.95: 2(0,2.54)
  silkscreen extent -2.54,-1.27 1.43,3.81, body extent -1.27,-1.27 1.27,3.81, height 8.54
PLS-3 [mm]
  rect 1.9x1.5 hole 0.95: 1(0,0)
  oval 1.9x1.5 hole 0.95: 2(0,2.54) 3(0,5.08)
  silkscreen extent -1.43,-1.27 2.53,6.35, body extent -1.27,-1.27 1.27,6.35, height 8.54
PWSON-10 [mm] "Power QFN 3mm x 3mm"
  rect 0.25x0.85 smd paste-0.025 mask+0.03: 1(-1,-1.475)
  oval 0.25x0.85 smd paste-0.025 mask+0.03: 2(-0.5,-1.475) 3(0,-1.475) 4(0.5,-1.475) 5(1,-1.475) 6(1,1.475) 7(0.5,1.475) 8(0,1.475) 9(-0.5,1.475) 10(-1,1.475)
  rect 1.05x0.21 smd paste-3 mask+0.03: EP(-1.375,-0.2) EP(-1.375,0.2) EP(-1.375,0.6) EP(-1.375,-0.6) EP(1.375,0.6) EP(1.375,-0.6) EP(1.375,-0.2) EP(1.375,0.2)
  rect 2.15x1.7 smd paste-3 mask+0.03: EP(0,0)
  silkscreen extent -1.7,-2.45 1.7,1.7, body extent -1.52,-1.52 1.52,1.52, height 0.8
RES0402B [mm] "Resistor 0402"
  rrect50% 0.5x0.5 smd mask+0.05: 1(-0.5,0) 2(0.5,0)
  silkscreen extent -0.1,-0.38 0.1,0.38, body extent -0.52,-0.27 0.53,0.28, height 0.41
RES0603B [mm] "Resistor 0603"
  rrect50% 0.8x0.9 smd: 1(-0.8,0) 2(0.8,0)
  silkscreen extent -0.23,-0.53 0.23,0.53, body extent -0.85,-0.45 0.85,0.45, height 0.56
SC70-6 [mm]
  rect 0.8x0.4 smd paste+0 mask+0.05: 1(-1,0.65)
  oval 0.8x0.4 smd paste+0 mask+0.05: 2(-1,0) 3(-1,-0.65) 4(1,-0.65) 5(1,0) 6(1,0.65)
  silkscreen extent -1.37,-1.25 0.67,1.52, body extent -1.2,-1.1 1.2,1.1, height 1.1
SM04B-SRSS-TB [mm]
  rect 0.4x1.1 smd mask+0.05: 1(-1.5,2.2)
  rrect70% 0.4x1.1 smd mask+0.05: 2(-0.5,2.2) 3(0.5,2.2) 4(1.5,2.2)
  rrect15% 1x1.7 smd mask+0.05: M1(-2.8,-1.65) M2(2.8,-1.65)
  silkscreen extent -3.3,1.5 3.3,2.43, body extent -3,-2.5 3,2.45, height 2.96
SMA-FL [mm] "SMA-FL Case 403AA Style 6"
  rect 1.3x1.76 smd: 1(-2.1,0) 2(2.1,0)
  silkscreen extent -2.4,-1.5 2.4,1.5, body extent -2.55,-1.3 2.55,1.3, height 1.25
SMD3225 [mm]
  rect 1.1x1.2 smd mask+0.05: 1(-1.075,-0.775) 2(1.075,-0.775) 3(1.075,0.775) 4(-1.075,0.775)
  silkscreen extent -1.17,-1.8 -0.98,-1.6, body extent -1.6,-1.25 1.6,1.25, height 0.61
SOD-523 [mm]
  rect 0.5x0.6 smd mask+0.05: 1(-0.7,0) 2(0.7,0)
  silkscreen extent -0.26,-0.45 0.25,0.45, body extent -0.77,-0.4 0.77,0.4, height 0.62
SOIC-16 [mm] "package SOIC-16, 150 mil"
  rect 1.45x0.6 smd paste+0 mask+0.05: 1(-2.725,4.445)
  oval 1.45x0.6 smd paste+0 mask+0.05: 2(-2.725,3.175) 3(-2.725,1.905) 4(-2.725,0.635) 5(-2.725,-0.635) 6(-2.725,-1.905) 7(-2.725,-3.175) 8(-2.725,-4.445) 9(2.725,-4.445) 10(2.725,-3.175) 11(2.725,-1.905) 12(2.725,-0.635) 13(2.725,0.635) 14(2.725,1.905) 15(2.725,3.175) 16(2.725,4.445)
  silkscreen extent -2.85,-5 1.6,5.42, body extent -3,-5 3,5, height 1.75
SOT23-3 [mm] "SOT23, 6-Leads, Body 2.90x2.80mm, Pitch 0.95mm, IPC Medium Density"
  rect 1.1x0.6 smd paste+0 mask+0.05: 1(-1.2,0.95)
  oval 1.1x0.6 smd paste+0 mask+0.05: 2(-1.2,-0.95) 3(1.2,0)
  silkscreen extent -1.7,-1.63 1,1.88, body extent -1.3,-1.45 1.3,1.45, height 1.14
SOT143 [mm] "SOT143, 4-Leads, Body 2.92x2.37mm, Pitch 1.90mm, IPC Medium Density"
  rect 1x1.05 smd paste+0 mask+0.05: 1(-1.2,0.85)
  rrect50% 1x0.65 smd paste+0 mask+0.05: 2(-1.2,-0.95) 3(1.2,-0.95) 4(1.2,0.95)
  silkscreen extent -1.25,-1.65 0.87,1.72, body extent -1.18,-1.45 1.18,1.45, height 1.22
TEST_PAD_R1mm [mm]
  round 1 smd mask+0.05: 1(0,0)
TVAF11 [mm]
  rrect10% 1.2x0.65 smd: 1(-2.15,1.075) 2(2.15,1.075) 3(-2.15,-1.075) 4(2.15,-1.075)
  silkscreen extent -2.3,-1.8 2.3,1.8, body extent -2.55,-1.6 2.55,1.6, height 2.51
YST310S [mm]
  rect 1x1.8 smd: 1(-1.25,0)
  rrect50% 1x1.8 smd: 2(1.25,0)
  silkscreen extent -2.05,-1 0.5,1, body extent -1.6,-0.75 1.6,0.75, height 0.75

## Part data
A1: "2.4 GHz WiFi + Bluetooth® + Bluetooth LE module", Manufacturer="Espressif Systems", Part Number=ESP32-S3-MINI-1-N8
C1 C2 C4 C5 C6 C8 C12 C19 C23 C24 C25: library part C0402, "Capacitors 0402 package case", Dielectric=X7R, Manufacturer=CCTC, Package=0402, Part Number=TCC0402X7R104J500AT, Tolerance="± 5 %", Voltage="50 V", Value on schem=0.1u
C3 C7 C9 C10 C20: library part C0402, "Capacitors 0402 package case", Dielectric=NP0, Manufacturer=CCTC, Package=0402, Part Number=TCC0402COG120F500AT, Tolerance="± 1 %", Voltage="50 V", Value on schem=12p
C11: library part C0603, "Capacitors 0603 package case", Dielectric=X7R, Manufacturer=CCTC, Package=0603, Part Number=TCC0603X7R106M6R3CT, Tolerance="± 20 %", Voltage=6.3V, Value on schem=1u
C13 C14: library part C0603, "Capacitors 0603 package case", Dielectric=X7R, Manufacturer=CCTC, Package=0603, Part Number=TCC0603X7R473K500CT, Tolerance="± 10 %", Voltage=50V, Value on schem=0.047u
C15: library part C1206, "Capacitors 1206 package case", Dielectric=X7R, Manufacturer=CCTC, Package=1206, Part Number=TCC1206X7R222K102FT, Tolerance="± 10 %", Voltage=1000V, Value on schem=2200p
C16: library part C1206, "Capacitors 1206 package case", Dielectric=X7R, Manufacturer=CCTC, Package=1206, Part Number=TCC1206X7R472K102FT, Tolerance="± 10 %", Voltage=1000V, Value on schem=4700p
C17 C18: library part C0805, "Capacitors 0805 package case", Dielectric=X7R, Manufacturer=CCTC, Package=0805, Part Number=TCC0805X7R106K250FT, Tolerance="± 10 %", Voltage=25V, Value on schem=10u
C21 C22: library part C1206, "Capacitors 1206 package case", Dielectric=X7R, Manufacturer=CCTC, Package=1206, Part Number=TCC1206X7R226M160HT, Tolerance="± 20 %", Voltage=16V, Value on schem=22u
DA1: "6 Quad-Channel, High-Speed ESD Protection Device", Manufacturer="Texas Instruments", Package=SC70-6, Part Number=TPD4E1U06DCKR
DA2: "High Input Voltage, 2A Buck-Boost Converter", Manufacturer="Texas Instruments", Package=PWSON-10, Part Number=TPS63060DSC
DA3: "Ultra low capacitance double rail-to-rail ESD protection diode", Manufacturer="NXP USA Inc.", Package=SOT-143, Part Number=PRTR5V0U2X
DD1: "RISC-V MCU 144MHz with 256KB flash, 64KB RAM", Manufacturer=WinChipHead, Package=LQFP-64, Part Number=CH32V307RCT6
DD2: "8-bit Enhanced USB MCU", Manufacturer=WinChipHead, Package=SOP16, Part Number=CH549G
DD3: "Double-pole Double-throw Low-Resistance Analog Switch IC", Manufacturer=WinChipHead, Package=MSOP-10, Part Number=CH442E
HL1 HL2 HL3 HL4: "Green led (package case 0402)", Color=Green, Forward Current="20 mA", Forward Voltage=3.3V, Manufacturer="Kingbright Company LLC.", Package=0402, Part Number=KPHHS-1005ZGC-V, Wavelength="515 nm"
HL5: "Red led (package case 0402)", Color=Red, Forward Current="20 mA", Forward Voltage=1.95V, Manufacturer="Kingbright Company LLC.", Package=0402, Part Number=KPHHS-1005SURCK, Wavelength="630 nm"
HL6 HL7 HL8 HL9 HL10 HL11 HL12 HL13 HL14 HL15 HL16 HL17 HL18 HL19 HL20 HL21 HL22 HL23 HL24 HL25 HL26 HL27 HL28 HL29 HL30 HL31 HL32 HL33 HL34 HL35 HL36 HL37 HL38 HL39 HL40 HL41 HL42 HL43 HL44 HL45 HL46 HL47 HL48 HL49 HL50 HL51 HL52 HL53 HL54 HL55 HL56 HL57 HL58 HL59 HL60 HL61 HL62 HL63 HL64 HL65 HL66 HL67 HL68 HL69 HL70 HL71 HL72 HL73 HL74 HL75 HL76 HL77 HL78 HL79 HL80 HL81 HL82 HL83 HL84 HL85 HL86 HL87 HL88 HL89 HL90 HL91 HL92 HL93 HL94 HL95 HL96 HL97 HL98 HL99 HL100 HL101 HL102: "Blue led (package case 0402)", Color=Blue, Forward Current="20 mA", Forward Voltage=3.3V, Manufacturer="Kingbright Company LLC.", Package=0402, Part Number=KPHHS-1005QBC-D-V, Wavelength="465 nm"
KT1 KT2 KT3 KT4 KT5 KT6 KT7 KT8 KT9 KT10 KT11 KT12 KT13 KT14 KT15: "Test pad"
L1: library part IHLP1616BZER1R0M01, "Shielded SMD Power Inductors", Inductance @ 100 kHz=1uH, Manufacturer="Vishay Dale", Package="4.06mm x 4.06mm", Irms  Max="4.5 A", Isat  Typ="5 A", Part Number=IHLP2020BZERR22M01, RDC="27 mOhm", SRF Min="64 MHz"
R1 R29 R32: library part R0402, "Resistor 0402 package case", Manufacturer=Yageo, Package=0402, Part Number=RC0402FR-0710KL, Temperature coefficient="±100 ppm/K", Tolerance="± 1 %", Value on schem=10k
R2 R12 R13 R14: library part R0402, "Resistor 0402 package case", Manufacturer=Yageo, Package=0402, Part Number=RC0402FR-070RL, Temperature coefficient="±100 ppm/K", Tolerance="± 1 %", Value on schem=0
R3 R5 R6 R7: library part R0402, "Resistor 0402 package case", Manufacturer=Yageo, Package=0402, Part Number=RC0402FR-074K7L, Temperature coefficient="±100 ppm/K", Tolerance="± 1 %", Value on schem=4.7k
R4: library part R0603, "Resistor 0603 package case", Manufacturer=Yageo, Package=0603, Part Number=RC0603FR-074K7L, Temperature coefficient=±100/K, Tolerance="± 1 %", Voltage=100V, Value on schem=4.7k
R8 R9 R10 R11 R34: library part R0402, "Resistor 0402 package case", Manufacturer=Yageo, Package=0402, Part Number=RC0402FR-07560RL, Temperature coefficient="±100 ppm/K", Tolerance="± 1 %", Value on schem=560
R15 R16 R17 R30: library part R0402, "Resistor 0402 package case", Manufacturer=Yageo, Package=0402, Part Number=RC0402FR-07100KL, Temperature coefficient="±100 ppm/K", Tolerance="± 1 %", Value on schem=100k
R18 R19 R20 R21: library part R0603, "Resistor 0603 package case", Manufacturer=Yageo, Package=0603, Part Number=RC0603FR-0751RL, Temperature coefficient=±100/K, Tolerance="± 1 %", Voltage=100V, Value on schem=51
R22 R23 R24 R25: library part R0603, "Resistor 0603 package case", Manufacturer=Yageo, Package=0603, Part Number=RC0603FR-0775RL, Temperature coefficient=±100/K, Tolerance="± 1 %", Voltage=100V, Value on schem=75
R26: library part R0603, "Resistor 0603 package case", Manufacturer=Yageo, Package=0603, Part Number=RC0603FR-07750RL, Temperature coefficient=±100/K, Tolerance="± 1 %", Voltage=100V, Value on schem=750
R27: library part R0603, "Resistor 0603 package case", Manufacturer=Yageo, Package=0603, Part Number=RC0603FR-07560RL, Temperature coefficient=±100/K, Tolerance="± 1 %", Voltage=100V, Value on schem=560
R28: library part R0603, "Resistor 0603 package case", Manufacturer=Yageo, Package=0603, Part Number=RC0603FR-071ML, Temperature coefficient=±100/K, Tolerance="± 1 %", Voltage=100V, Value on schem=1M
R31: library part R0402, "Resistor 0402 package case", Manufacturer=Yageo, Package=0402, Part Number=RC0402FR-0718KL, Temperature coefficient="±100 ppm/K", Tolerance="± 1 %", Value on schem=18k
R33: library part R0402, "Resistor 0402 package case", Manufacturer=Yageo, Package=0402, Part Number=RC0402FR-07750RL, Temperature coefficient="±100 ppm/K", Tolerance="± 1 %", Value on schem=750
R35 R36 R37 R38 R39 R40 R41 R42 R43 R44 R45: library part R0402, "Resistor 0402 package case", Manufacturer=Yageo, Package=0402, Part Number=RC0402FR-07330RL, Temperature coefficient="±100 ppm/K", Tolerance="± 1 %", Value on schem=330
SB1 SB2: library part TVAF11, "Tact Button SMD 4х3х2.5mm", Manufacturer=KLS, Package=3x4mm, Part Number="KLS7-TS3401- 2.5-180"
T1: "10/100BASE-T Ethernet transformer Ratio 1:1 350 uH", Manufacturer="Pulse Electronics", Part Number=H1102NL
VD1 VD2 VD4 VD5 VD6 VD7 VD8 VD9 VD11: "Small Signal Schottky Diodes", Manufacturer="Diodes Incorporated", Package=SOT23-3
  VD1 VD2 VD4 VD5 VD6 VD7 VD9 VD11: Part Number=BAS70-04
  VD8: Part Number=BAS70-05
VD3 VD10: "High-speed switching diode", Manufacturer="NXP USA Inc.", Package=SOD-523, Part Number=BAS516,115
VD12 VD13: "3A Schottky barrier rectifier", Manufacturer=UMW, Package=SMAF, Part Number=SS34F
XS1 XS2 XS3 XS4: "2.54mm Female Header V/T Type, H = 8.5mm", Manufacturer=Connfly
  XS1 XS4: Part Number=DS1023-1x8S21
  XS2: Part Number=DS1023-1x6S21
  XS3: Part Number=DS1023-1x10S21
XS5: library part SM04B-SRSS-TB, "CONNECTOR, HEADER, SMT, R/A, 1MM, 4WAY", Manufacturer=JST, Part Number=SM04B-SRSS-TB(LF)(SN)
XS6: "RJ-45", Manufacturer=KLS, Author=Sklyarov, Part Number=KLS12-108-8P8C-1X1-2-R/G-0-01
XS7: "Shrouded DC Power Receptacle 2mm 6.3mm 8A 24V", Manufacturer="XKB Connectivity", Part Number=DC-042C-Z-2.0
XS8: "USB 2.0 Female 3A Surface 16P", Manufacturer=G-Switch, Part Number=GT-USB-7010ASV
Z1: "Power line filter, imperdance 600 Ohm @ 100 MHz (current 0.9A)", Package=0402, DCR="230 mOhm", Part Number=BLM15PX601SN1D
Z2: "Power line filter, imperdance 1500 Ohm @100MHz (current 0.5A)", Manufacturer=Murata, Package=0603, Part Number=BLM18HE152SN1D
ZQ1: "Quartz Crystal 8 MHz", ESR (Equivalent Series Resistance)="70 Ohms", Frequency Stability=±30ppm, Frequency Tolerance=±20ppm, Load Capacitance=12pF, Manufacturer=YXC, Operating Mode=Fundamental, Package=SMD3225, Part Number=X32258MOB4SI
ZQ2: "Quartz Crystal 32768 Hz", ESR (Equivalent Series Resistance)="70 Ohms", Frequency Stability=±30ppm, Frequency Tolerance=±20ppm, Load Capacitance="12.5 pF", Manufacturer=YXC, Operating Mode=Fundamental, Package=SMD3215, Part Number=X321532768KGD2SI

## Free pads (board coordinates)
  round 3.2 hole 3.2: M1(65.24,100.8) M2(116.04,85.56) M3(116.04,57.62) M4(63.97,52.54)

## Via types
v1: diameter 0.55, hole 0.25, TOP to BOT, tented both sides, 313 vias

## Nets (pads, with @x,y where several pads share a name; then routed paths per layer and width w, separated by ;. In a path a pad name is that pad's centre, name@x,y a point inside that pad or via, vN(x,y) a via of type N, cw(c..) or ccw(c..) an arc to the next point about the centre after c; other vN are vias at no path point)
A0_D14: DD1.21 VD6.3 XS2.1 | length 53.3
  TOP w0.2: v1(92,55.4) VD6.3@92.9,55.4 ; v1(96.1,93.4) 96.45,93.75 DD1.21@96.45,94.725
  TOP w0.3: VD6.3@92.9,55.4 94.6,55.4 95.8,54.2 97.4,54.2 99.06,52.54 XS2.1@100.8,52.54
  BOT w0.2: v1(92,55.4) 94.15,55.4 96.25,57.5 96.25,72.75 95.6,73.4 95.6,80.3 96.525,81.225 96.525,86.075 96.132,86.468 96.132,93.368 v1(96.1,93.4)
A1_D15: DD1.20 VD4.3 XS2.2 | length 49.8
  TOP w0.2: v1(95.8,55.4) VD4.3@96.7,55.4 ; DD1.20@96.95,94.725 96.95,93.75 v1(97.3,93.4)
  TOP w0.3: VD4.3@96.7,55.4 97.6,55.4 98.8,54.2 101.88,54.2 103.34,52.74 XS2.2@103.34,52.54
  BOT w0.2: v1(95.8,55.4) 96.75,56.35 96.75,72.95 96.1,73.6 96.1,78.1 97.1,79.1 97.1,86.25 96.65,86.7 96.65,92.75 v1(97.3,93.4)
A2_D16: DD1.17 VD1.3 XS2.3 | length 52
  TOP w0.2: DD1.17@98.45,94.725 98.45,95.7 98.75,96 v1(99.5,96) ; v1(99.5,55.4) VD1.3@100.4,55.4
  TOP w0.3: VD1.3@100.4,55.4 102.1,55.4 103.3,54.2 104.42,54.2 105.88,52.74 XS2.3@105.88,52.54
  BOT w0.2: v1(99.5,55.4) 99.5,65.85 98.55,66.8 98.55,84.55 99.4,85.4 99.4,89.1 98.4,90.1 98.4,91.9 99.5,93 v1(99.5,96)
A3_D17: DD1.16 VD7.3 XS2.4 | length 49.1
  TOP w0.2: DD1.16@100.425,92.75 101.35,92.75 101.5,92.9 v1(101.5,93.5) ; v1(103.2,55.4) VD7.3@104.1,55.4
  TOP w0.3: VD7.3@104.1,55.4 105.76,55.4 108.42,52.74 XS2.4@108.42,52.54
  BOT w0.2: v1(101.5,93.5) 101.5,92.5 99.9,90.9 99.9,85.2 99,84.3 99,67.1 103.2,62.9 v1(103.2,55.4)
A4_D18: DD1.15 VD5.3 XS2.5 | length 51.3
  TOP w0.2: DD1.15@100.425,92.25 101.65,92.25 102.093,92.693 102.493,92.693 v1(102.5,92.7) ; v1(106.9,55.4) VD5.3@107.8,55.4
  TOP w0.3: VD5.3@107.8,55.4 109.5,55.4 110.96,53.94 XS2.5@110.96,52.54
  BOT w0.2: v1(102.5,92.7) 104.5,90.7 104.5,82.3 99.9,77.7 99.9,67.5 106.9,60.5 v1(106.9,55.4)
A5_D19: DD1.14 VD2.3 XS2.6 | length 57.7
  TOP w0.2: v1(99.2,91.75) DD1.14@100.425,91.75 ; v1(110.6,55.4) VD2.3@111.5,55.4
  TOP w0.3: VD2.3@111.5,55.4 112.5,55.4 113.5,54.4 XS2.6@113.5,52.54
  BOT w0.2: v1(99.2,91.75) 100.3,92.85 100.3,94.1 100.7,94.5 102.2,94.5 105,91.7 105,82.05 100.35,77.4 100.35,67.7 107.325,60.725 107.325,58.675 v1(110.6,55.4)
CH32_RESET#: DA2.5 DD1.7 R1.2 R14.2 SB1.3 SB1.4 VD3.2 | length 147.6
  TOP w0.2: SB1.4@52.35,102.075 SB1.3@56.65,102.075 57.475,102.075 58.25,102.85 90.108,102.85 90.358,102.6 v1(90.4,102.6) ; DA2.5@67.725,59.35 67.725,56.875 69.6,55 R1.2@79.75,55 VD3.2@81.05,55 81.05,55.7 81.45,56.1 83.35,56.1 83.95,55.5 89.8,55.5 90.8,56.5 90.8,58.1 91.535,58.835 103.235,58.835 103.371,58.7 v1(103.9,58.7) 104.429,58.7 104.565,58.835 108.035,58.835 109.749,60.549 110.099,60.549 R14.2@110.15,60.6 ; DD1.7@100.425,88.25 101.4,88.25 v1(101.75,88.6)
  PWR w0.2: v1(90.4,102.6) 90.4,99.9 91.1,99.2 100.8,99.2 101.4,98.6 101.4,94.65 100.6,93.85 100.6,89.75 v1(101.75,88.6)
  BOT w0.2: v1(101.75,88.6) 100.4,87.25 100.4,85 99.45,84.05 99.45,67.3 103.9,62.85 v1(103.9,58.7)